# Altium PCB AirScout_PCBV1.2.PcbDoc (part 1 of 2)
Units mil, origin at the board's own origin, x right, y up, seen from the top; angles counter-clockwise.
Board outline 3592.52 x 5944.88 mil, 4 copper layers (Top Layer, Signal Layer 1, Signal Layer 2, Bottom Layer), stack 23.756 mil thick; 56 components, 39 nets, 237 pads, 309 vias.
Unrouted connection lines stored in the file: 26.
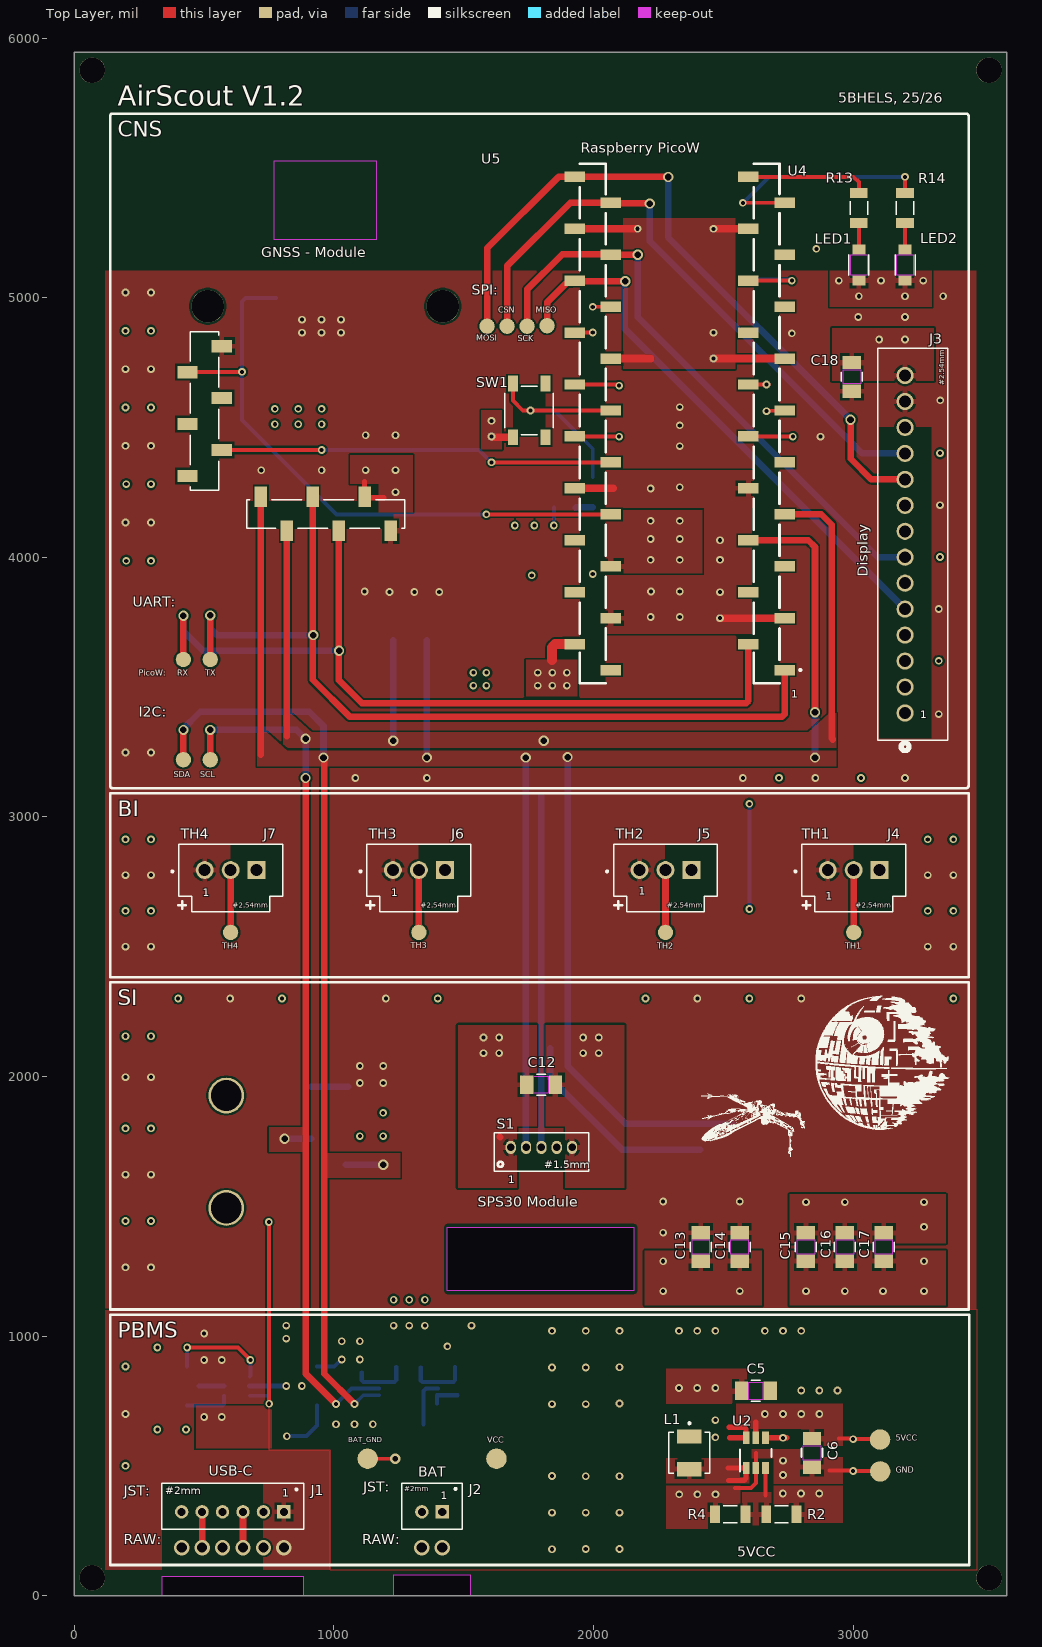
[diagram p0: Top Layer view]
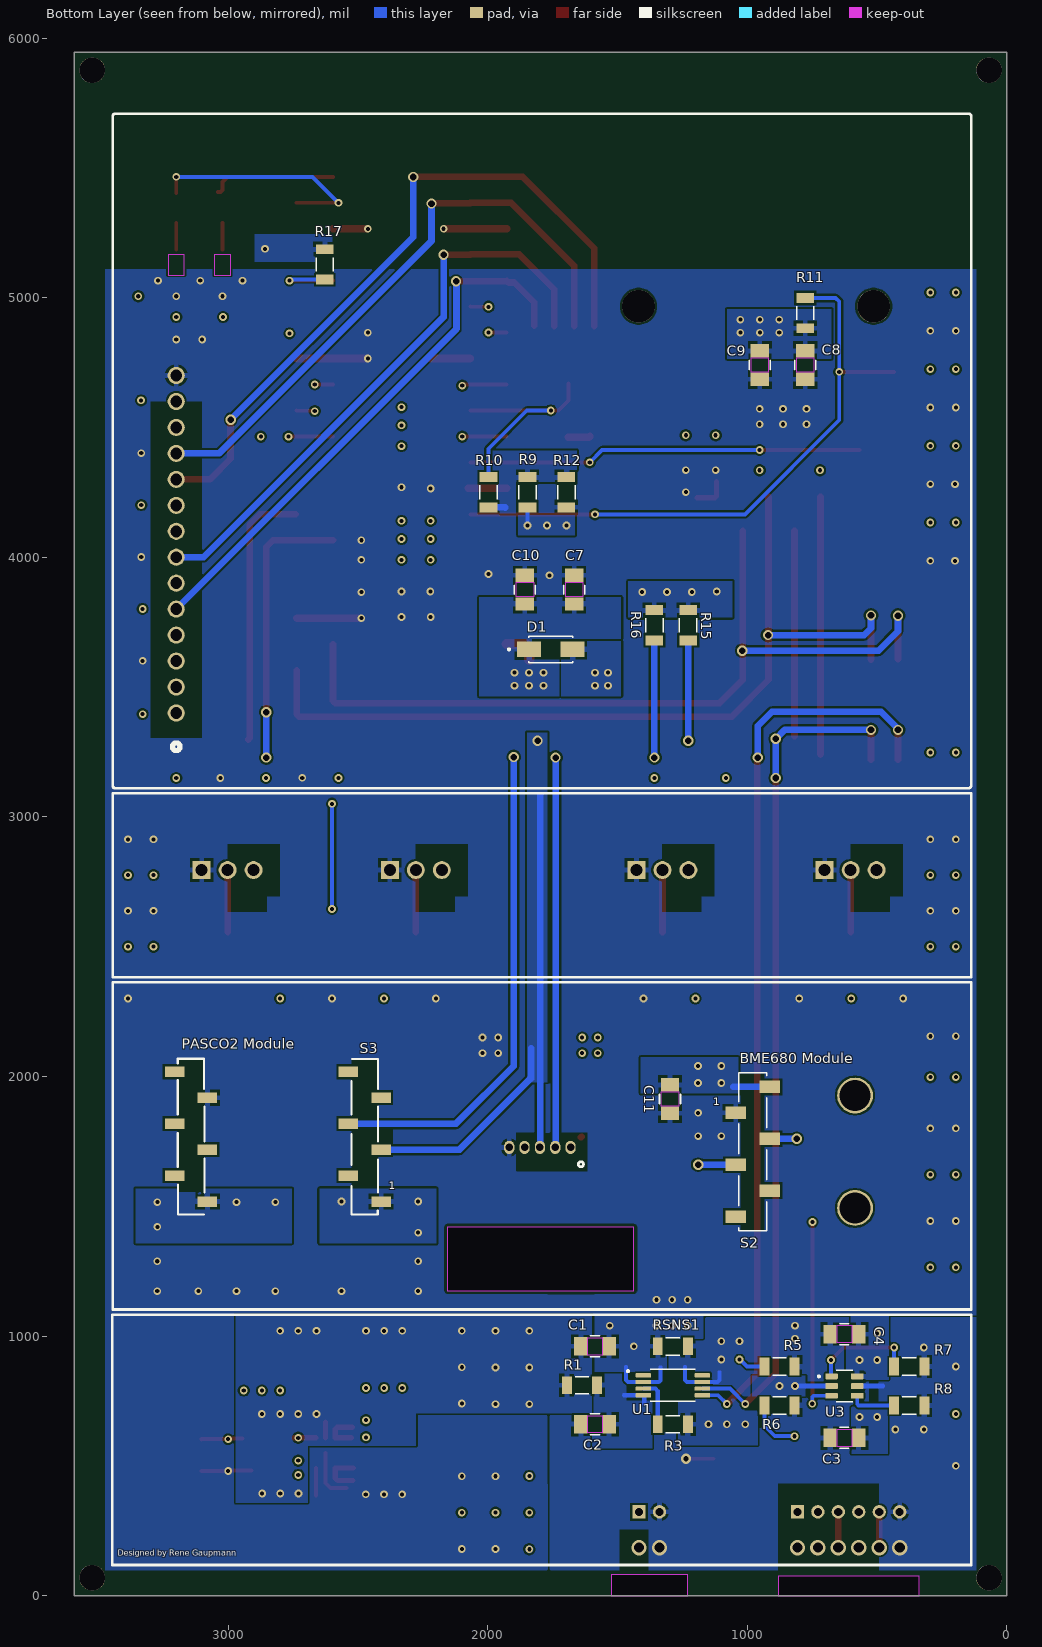
[diagram p1: Bottom Layer view, seen from below]
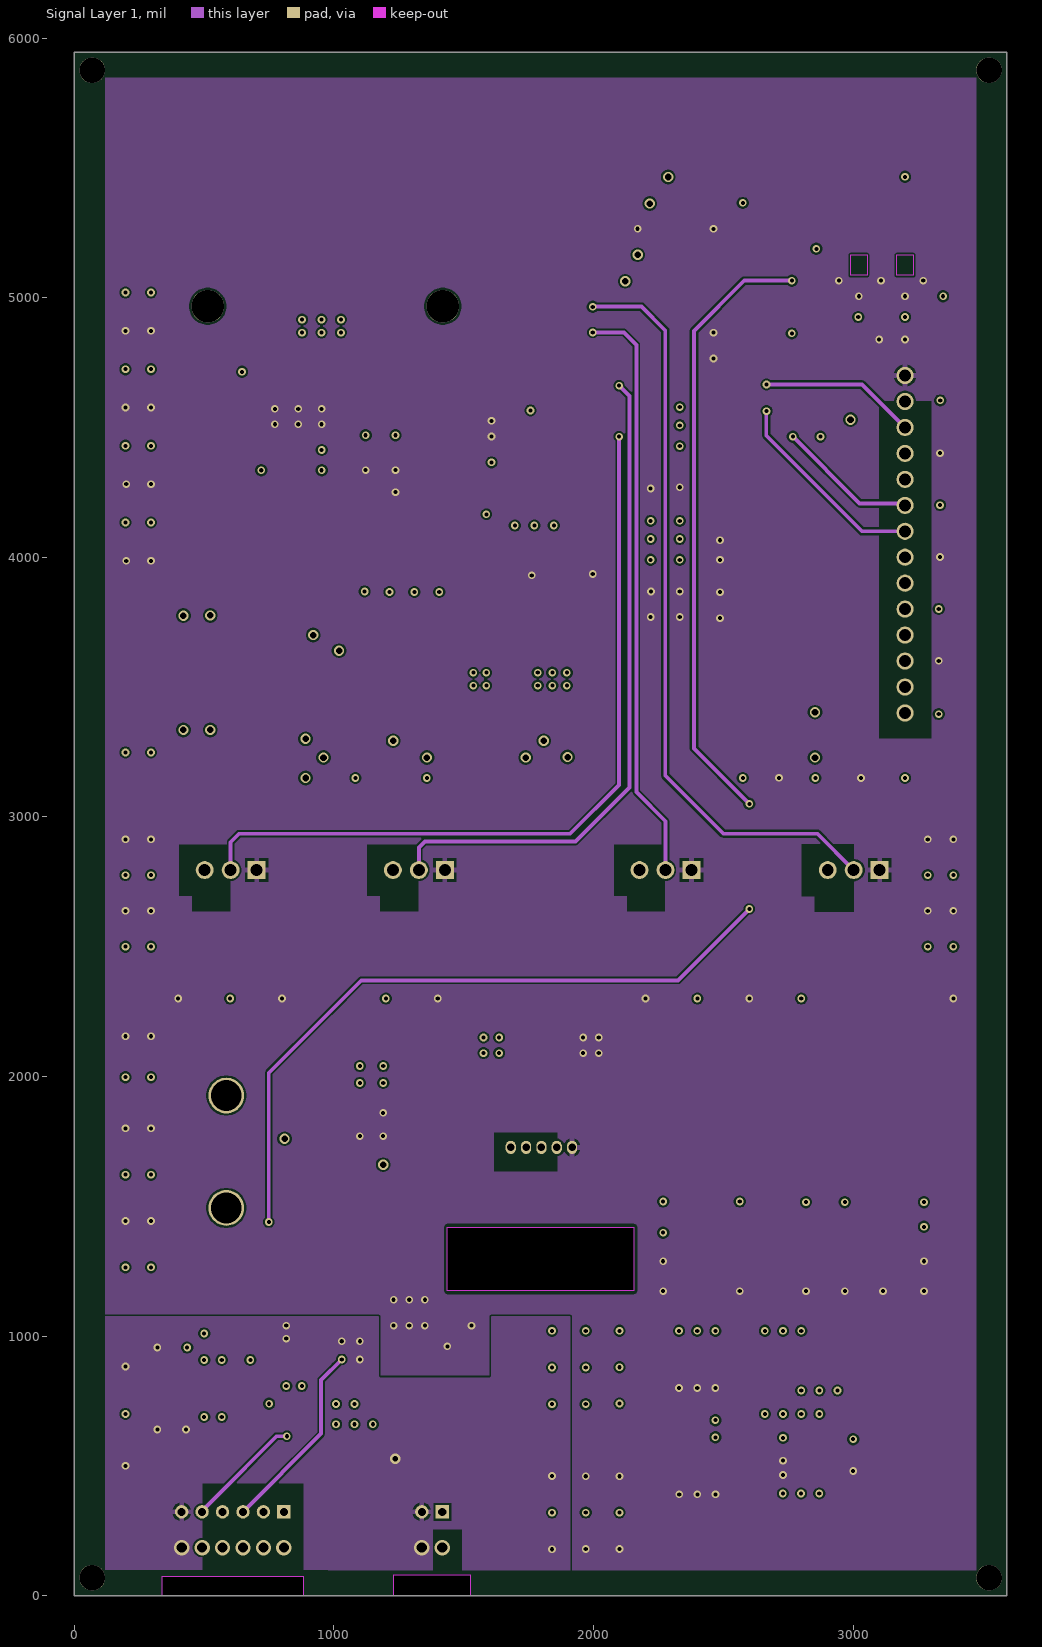
[diagram p2: Signal Layer 1]
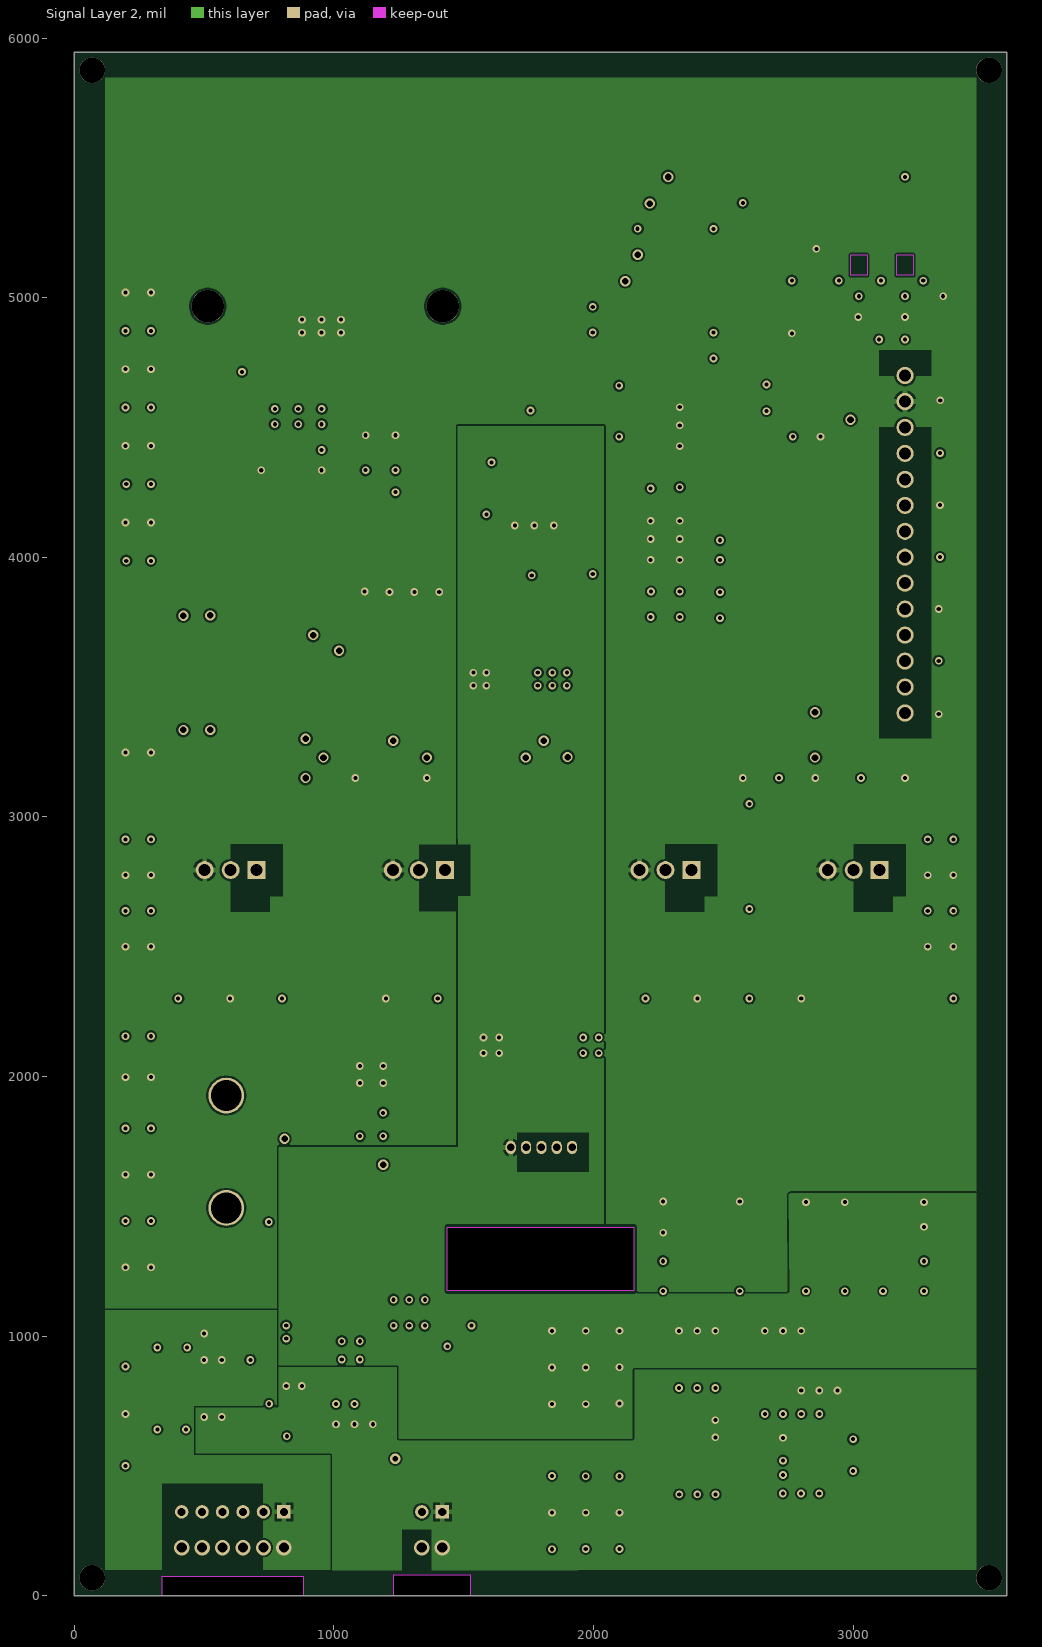
[diagram p3: Signal Layer 2]

## Layer stack, top to bottom
Top Solder: solder mask 0.4, Solder Resist, Dk 3.5
Top Layer: signal copper 1.4
Dielectric 2: prepreg 2.8, PP-006, Dk 4.1
Signal Layer 1: signal copper 1.378
Dielectric 1: dielectric 12.6, FR-4, Dk 4.8
Signal Layer 2: signal copper 1.378
Dielectric 3: prepreg 2.8, PP-006, Dk 4.1
Bottom Layer: signal copper 1.4
Bottom Solder: solder mask 0.4, Solder Resist, Dk 3.5

## Board outline
0,0 0,5708.66 0,5944.88 3592.52,5944.88 3592.52,5944.4 3592.52,0
cut-out: 338.58,0 338.58,74.8 881.89,74.8 881.89,0
cut-out: 1230,0 1230,80 1524.17,80 1524.17,0
cut-out: 1437.01,1419.78 2155.51,1419.78 2155.51,1173.72 1437.01,1173.72

## Design rules (kind name [scope] priority, off if disabled: settings)
BoardOutlineClearance [All] p1: gap=11.81 ignorepadtopadclearanceinfootprint=FALSE except(15.75: Arc-SplitBarrior Arc-SplitContinuation Track-SplitBarrior Track-SplitContinuation SMDPad-SplitBarrior SMDPad-SplitContinuation THPad-SplitBarrior THPad-SplitContinuation Via-SplitBarrior Via-SplitContinuation Fill-SplitBarrior Fill-SplitContinuation Poly-SplitBarrior Poly-SplitContinuation Region-SplitBarrior Region-SplitContinuation Text-SplitBarrior Text-SplitContinuation)
Clearance "Clearance Different Nets" [All] p1: gap=7.87 ignorepadtopadclearanceinfootprint=FALSE except(3.5: Arc-Arc Arc-Track Arc-SMDPad Track-Track Track-SMDPad; 5: SMDPad-SMDPad SMDPad-Via THPad-Via Via-Via; 10: Arc-Via Arc-Text Track-Via Track-Text SMDPad-Text THPad-Text Via-Text Fill-Text Poly-Text Region-Text Text-Text; 19.68: THPad-THPad Via-Hole)
Clearance "Clearance Same Nets" [All] p2: gap=7.87 ignorepadtopadclearanceinfootprint=FALSE except(3.5: Arc-Arc Arc-Track Arc-SMDPad Track-Track Track-SMDPad SMDPad-SMDPad; 5: SMDPad-Via THPad-Via; 10: Arc-Via Arc-Text Track-Via Track-Text SMDPad-Text THPad-Text Via-Via Via-Text Fill-Text Poly-Text Region-Text Text-Text)
Clearance "Clearance Bottom Layer" [OnLayer('Bottom Layer')] p3: gap=8 ignorepadtopadclearanceinfootprint=TRUE except(10: Arc-Text Track-Text SMDPad-Text THPad-Text Via-Text Fill-Text Poly-Text Region-Text Text-Text)
Clearance "Clearance Top Layer" [OnLayer('Top Layer')] p4: gap=8 ignorepadtopadclearanceinfootprint=TRUE except(10: Arc-Text Track-Text SMDPad-Text THPad-Text Via-Text Fill-Text Poly-Text Region-Text Text-Text)
HoleSize [All] p1: absolutevalues=TRUE maxlimit=248.03 minlimit=7.87 maxpercent=80.000 minpercent=20.000
MinimumAnnularRing [All] p1: minimumring=5.12
MinimumSolderMaskSliver [All] p1: minsoldermaskwidth=3.94
PolygonConnect PolygonConnect_1 [All] p1: thpad.connectstyle=Relief thpad.reliefconductorwidth=20 thpad.reliefentries=4 thpad.polygonreliefangle="90 Angle" thpad.airgapwidth=10 smdpad.connectstyle=Relief smdpad.reliefconductorwidth=20 smdpad.reliefentries=4 smdpad.polygonreliefangle="90 Angle" smdpad.airgapwidth=10 via.connectstyle=Direct via.reliefconductorwidth=20 via.reliefentries=4 via.polygonreliefangle="90 Angle" via.airgapwidth=10
RoutingCorners [All] p1: cornerstyle=Round minsetback=100 maxsetback=100
RoutingVias [All] p1: holewidth=19.68 width=39.37 viastyle="Through Hole" minholewidth=7.87 minwidth=13.78 maxholewidth=39.37 maxwidth=78.74
SilkToSilkClearance [All] p1: silktosilkclearance=3.94
SilkToSolderMaskClearance [IsPad] p1: minsilkscreentomaskgap=3.94 clearancetoexposedcopper=TRUE
SolderMaskExpansion [All] p1: expansion=4 istentingtop=FALSE
SupplyNets "Schematic Supply Nets_31" [InNet('FB')] p1: voltage=0.000
SupplyNets "Schematic Supply Nets_30" [InNet('CC1')] p2: voltage=0.000
SupplyNets "Schematic Supply Nets_29" [InNet('TCH2')] p3: voltage=0.000
SupplyNets "Schematic Supply Nets_28" [InNet('CHG')] p4: voltage=0.000
SupplyNets "Schematic Supply Nets_27" [InNet('3V3')] p5: voltage=0.000
SupplyNets "Schematic Supply Nets_26" [InNet('LED')] p6: voltage=0.000
SupplyNets "Schematic Supply Nets_25" [InNet('EXTIN')] p7: voltage=0.000
SupplyNets "Schematic Supply Nets_24" [InNet('5VCC_FUEL G.')] p8: voltage=0.000
SupplyNets "Schematic Supply Nets_23" [InNet('SPI/MOSI')] p9: voltage=0.000
SupplyNets "Schematic Supply Nets_22" [InNet('UART/TX')] p10: voltage=0.000
SupplyNets "Schematic Supply Nets_21" [InNet('BAT_GND')] p11: voltage=0.000
SupplyNets "Schematic Supply Nets_20" [InNet('RESET')] p12: voltage=0.000
SupplyNets "Schematic Supply Nets_19" [InNet('TCH3')] p13: voltage=0.000
SupplyNets "Schematic Supply Nets_18" [InNet('3V3EN')] p14: voltage=0.000
SupplyNets "Schematic Supply Nets_17" [InNet('TCH4')] p15: voltage=0.000
SupplyNets "Schematic Supply Nets_16" [InNet('VIN')] p16: voltage=0.000
SupplyNets "Schematic Supply Nets_15" [InNet('RST')] p17: voltage=0.000
SupplyNets "Schematic Supply Nets_14" [InNet('I2C/SCL')] p18: voltage=0.000
SupplyNets "Schematic Supply Nets_13" [InNet('SPI/MISO')] p19: voltage=0.000
SupplyNets "Schematic Supply Nets_12" [InNet('SPI/CSn')] p20: voltage=0.000
SupplyNets "Schematic Supply Nets_11" [InNet('DC')] p21: voltage=0.000
SupplyNets "Schematic Supply Nets_9" [InNet('SPI/SCK')] p22: voltage=0.000
SupplyNets "Schematic Supply Nets_8" [InNet('VCC')] p23: voltage=0.000
SupplyNets "Schematic Supply Nets_7" [InNet('UART/RX')] p24: voltage=0.000
SupplyNets "Schematic Supply Nets_6" [InNet('TCH1')] p25: voltage=0.000
SupplyNets "Schematic Supply Nets_5" [InNet('5VCC')] p26: voltage=0.000
SupplyNets "Schematic Supply Nets_4" [InNet('GND')] p27: voltage=0.000
SupplyNets "Schematic Supply Nets_3" [InNet('VSYS')] p28: voltage=0.000
SupplyNets "Schematic Supply Nets_2" [InNet('VBUS')] p29: voltage=0.000
SupplyNets "Schematic Supply Nets_1" [InNet('I2C/SDA')] p30: voltage=0.000
SupplyNets "Schematic Supply Nets" [InNet('CC2')] p31: voltage=0.000
Width [All] p1: maxlimit=100 minlimit=3.5 preferedwidth=15
25 further rules are at their usual default settings.

## Components (designator, comment, footprint, x,y, rotation, side; value= is the part's Value field where it differs from the comment)
C1 "CL31B475KBHNFNE" CAPC340180_140N_KEM 1587.09,960.33 r180 bottom value=4.7uF
C2 "C1206C104K5RACTU" CAPC340180_140N_KEM 1587.09,660.33 r0 bottom value=0.1uF
C3 "C1206C105K3RACTU" CAPC340180_140N_KEM 626.26,607.54 r0 bottom value=1uF
C4 "C1206C105K3RACTU" CAPC340180_140N_KEM 626.26,1007.54 r0 bottom value=1uF
C5 "CL31B225KBHNNNE" CAPC340180_140N_KEM 2625,788.58 r0 top value=2.2uF
C6 "CL31B475KBHNFNE" CAPC340180_140N_KEM 2841.54,550 r90 top value=4.7uF
C7 "CL31B106KAHNNNE" CAPC340180_140N_KEM 1667.09,3875.33 r90 bottom value=10uF
C8 "CL31B106KAHNNNE" CAPC340180_140N_KEM 777.09,4740.33 r270 bottom value=10uF
C9 "CL31B106KAHNNNE" CAPC340180_140N_KEM 952.09,4740.33 r270 bottom value=10uF
C10 "C1206C104K5RACTU" CAPC340180_140N_KEM 1857.09,3875.33 r90 bottom value=0.1uF
C11 "CL31B106KAHNNNE" CAPC340180_140N_KEM 1298.11,1913.11 r270 bottom value=10uF
C12 "CL31B106KAHNNNE" CAPC340180_140N_KEM 1798.11,1968.11 r0 top value=10uF
C13 "CL31B106KAHNNNE" CAPC340180_140N_KEM 2412.8,1343.11 r270 top value=10uF
C14 "C1206C104K5RACTU" CAPC340180_140N_KEM 2562.8,1343.11 r270 top value=0.1uF
C15 "CL31B106KAHNNNE" CAPC340180_140N_KEM 2818.11,1343.11 r270 top value=47uF
C16 "CL31B106KAHNNNE" CAPC340180_140N_KEM 2968.11,1343.11 r270 top value=10uF
C17 "C1206C104K5RACTU" CAPC340180_140N_KEM 3118.11,1343.11 r270 top value=0.1uF
C18 "CL31B475KBHNFNE" CAPC340180_140N_KEM 2995,4695 r90 top value=4.7uF
D1 "B240A-13-F" DIOM5226X230N 1757.09,3645.33 r180 bottom
J1 "B6B-PH-K-S" JST_B6B-PH-K-S 610.24,344.49 r0 top
J2 "B02B-PASK-1" JST_B2B-PH-K-S 1377.95,344.49 r0 top
J3 "0705430013" CONN_SDA-70543-XXXX_14_MOL 3200,3400 r270 top
J4 "0705430002" MOLEX_70543-0037 3002.09,2795 r180 top locked
J5 "0705430002" MOLEX_70543-0037 2277.09,2795 r180 top
J6 "0705430002" MOLEX_70543-0037 1327.09,2795 r180 top
J7 "0705430002" MOLEX_70543-0037 602.09,2795 r180 top
L1 "FDSD0420-H-100M=P3" IND_FDSD0420-H-100M=P3 2369.09,550 r270 top value=10uH
LED1 "LTST-C150GKT" LED_LTST-C150GKT_LTO 3022.09,5125.33 r270 top
LED2 "LTST-C150KRKT" LED_LTST-C150GKT_LTO 3200,5125.33 r270 top
R1 "CRGCQ1206F470R" RESC3116X65N 1637.09,810.33 r180 bottom value=470
R2 "RC1206FR-0710KL" RESC3116X65N 2723.43,313.78 r0 top value=10k
R3 "RNCP1206FTD1K00" RESC3116X65N 1287.09,660.33 r180 bottom value=1k
R4 "RMCF1206JT56K0" RESC3116X65N 2526.57,313.78 r0 top value=56k
R5 "RMCF1206JT5K10" RESC3116X65N 876.26,882.54 r0 bottom value=5k1
R6 "RMCF1206JT5K10" RESC3116X65N 876.26,732.54 r0 bottom value=5k1
R7 "RC1206FR-0710KL" RESC3116X65N 376.26,882.54 r0 bottom value=10k
R8 "RC1206FR-0710KL" RESC3116X65N 376.26,732.54 r0 bottom value=1k
R9 "RC1206JR-075K6L" RESC3116X65N 1847.09,4250.33 r270 bottom value=5k6
R10 "RC1206FR-0710KL" RESC3116X65N 1997.09,4250.33 r270 bottom value=10k
R11 "RC1206FR-0710KL" RESC3116X65N 777.09,4940.33 r270 bottom value=10k
R12 "RC1206FR-0710KL" RESC3116X65N 1697.09,4250.33 r90 bottom value=10k
R13 "RMCF1206JT330R" RESC3116X65N 3022.09,5345.33 r90 top value=330
R14 "RMCF1206JT330R" RESC3116X65N 3200,5345.33 r90 top value=330
R15 "RC1206FR-0710KL" RESC3116X65N 1228.11,3738.11 r90 bottom value=10k
R16 "RC1206FR-0710KL" RESC3116X65N 1358.11,3738.11 r270 bottom value=10k
R17 "RC1206FR-0710KL" RESC3116X65N 2628.11,5128.11 r270 bottom value=10k
RSNS1 "WSL1206R0150FEA" RESC3116X65N 1287.09,960.33 r180 bottom value=0R015
S1 "B5B-ZR" CONN5_B5B-ZR_JST 1681.1,1726.62 r180 top
S2 "EVAL BOARD BME680 SENSOR" PIM357 1038.06,2024.96 r270 bottom
S3 "SSM-106-F-SV" IFX-SMD-LG-MLGA-14-1-V_MODUL 2335.93,2128.35 r0 bottom
SW1 "Y97KT23B2NAFP" SW_PTS647SM38SMTR2LFS_CNK 1752.09,4565.33 r90 top
U1 "DS2782E+" SOP65P640X110-8N 1287.09,810.33 r180 bottom
U2 "TLV61046ADBVR" DBV0006A_M 2625,550 r90 top
U3 "BQ21040DBVR" SOT95P280X145-6N 626.26,807.54 r180 bottom
U4 "SSM-120-L-SV-BE-K-TR" "PicoW SC019" 2331.73,4520.45 r180 top
U5 "SSM-106-F-SV" CAM8MQ-Mod 415.28,5537.5 r270 top

## Footprints (in the part's own frame and the unit in brackets; to place one, negate y for a bottom-side part, rotate by r counter-clockwise, add the part's x,y. Pads: shape width x height; smd on the part's side, far side on the other; paste and mask are expansions set on the pad)
CAM8MQ-Mod [mm] "For SMD Soldering"
  rect 1.2x2 smd paste+0 mask+0.025: 1(18.4,3.876) 2(20.94,0.524) 3(23.48,3.876) 4(26.02,0.524) 5(28.56,3.876) 6(31.1,0.524)
  rect 2x1.2 smd paste+0 mask+0.025: 7(36.476,20.4) 8(33.124,17.86) 9(36.476,15.32) 10(33.124,12.78) 11(36.476,10.24) 12(33.124,7.7)
  round 3.2 hole 3.2 unplated: MH1(14.5,25.5) MH3(14.5,2.5)
  Top Layer keep-out region: 0.25,19 8,19 8,9 0.25,9
  silkscreen extent 17,0.8 36.2,21.8, body extent 17.13,-0.09 37.09,21.67, height 7.49
CAPC340180_140N_KEM [mm] "Caseform: 1206 Imperial; for Caps"
  rect 1.306x1.8 smd paste+0 mask+0: 1(-1.403,0) 2(1.403,0)
  Top Layer keep-out region: -0.699,-0.849 -0.699,0.849 0.699,0.849 0.699,-0.849
  silkscreen extent -0.44,-1.03 0.44,1.03, body extent -1.7,-0.9 1.7,0.9, height 1.4
CONN5_B5B-ZR_JST [mm]
  oval 1x1.3 hole 0.737 paste-2539.97: 1(0,0) 2(-1.5,0) 3(-3,0) 4(-4.5,0) 5(-6,0)
  silkscreen extent -7.62,-1.43 1.62,2.33, body extent -7.5,-1.24 1.5,2.26, height 4.5
CONN_SDA-70543-XXXX_14_MOL [mil]
  round 66 hole 46: 1(0,0) 2(-100,0) 3(-200,0) 4(-300,0) 5(-400,0) 6(-500,0) 7(-600,0) 8(-700,0) 9(-800,0) 10(-900,0) 11(-1000,0) 12(-1100,0) 13(-1200,0) 14(-1300,0)
  silkscreen extent -1405,-105 145,165, body extent -1400,-100 100,160, height 450
DBV0006A_M [mm]
  rect 1.2x0.65 smd paste+0 mask+0.051: 1(-1.475,0.95) 2(-1.475,0) 3(-1.475,-0.95) 4(1.475,-0.95) 5(1.475,0) 6(1.475,0.95)
  silkscreen extent -1.83,-1.55 0.38,1.55, body extent -1.4,-1.45 1.4,1.45, height 1.2
DIOM5226X230N [mm]
  rect 2.33x1.55 smd: A(2.135,0) K(-2.135,0)
  silkscreen extent -4.2,-1.3 2.15,1.3, body extent -2.6,-1.3 2.6,1.3, height 2.4
IFX-SMD-LG-MLGA-14-1-V_MODUL [mm] "Module, 2.54 mm Pitch, 14 Pin, 14.00 mm W X 13.80 mm L X 7.68 mm H Body"
  rect 1.905x1.02 smd: 1(1.898,15.5) 2(5.103,12.96) 3(1.898,10.42) 4(5.103,7.88) 5(1.898,5.34) 6(18.897,5.34) 7(22.102,7.88) 8(18.897,10.42) 9(22.102,12.96) 10(18.897,15.5) 11(5.103,2.8) 12(22.102,2.8)
  silkscreen extent 2.2,1.53 21.8,16.77, body extent 1.28,1.53 22.85,16.77, height 15.3
IND_FDSD0420-H-100M=P3 [mm]
  rect 1.4x2.4 smd: 1(-1.6,0) 2(1.6,0)
  silkscreen extent -3,-2 2,2, body extent -2,-2 2,2, height 2
JST_B2B-PH-K-S [mm]
  rect 1.308x1.308 hole 0.8: 1(1,-0.55)
  round 1.308 hole 0.8: 2(-1,-0.55)
  silkscreen extent -2.95,-2.25 2.95,2.25, body extent -2.95,-2.25 2.95,2.25, height 6
JST_B6B-PH-K-S [mm]
  rect 1.308x1.308 hole 0.8: 1(5,-0.55)
  round 1.308 hole 0.8: 2(3,-0.55) 3(1,-0.55) 4(-1,-0.55) 5(-3,-0.55) 6(-5,-0.55)
  silkscreen extent -6.95,-2.25 6.95,2.25, body extent -6.95,-2.25 6.95,2.25, height 6
LED_LTST-C150GKT_LTO [mil]
  rect 38x51 smd paste+0 mask+0: 1(-60,0) 2(60,0)
  Top Layer keep-out region: -39,-31.5 -39,31.5 39,31.5 39,-31.5
  Keep-Out Layer region: -39,-31.5 -39,31.5 39,31.5 39,-31.5
  silkscreen extent -39,-39 39,39, body extent -65,-34 65,34, height 47
MOLEX_70543-0037 [mm]
  round 1.755 hole 1.17: 1(2.54,0) 2(0,0)
  rect 1.755x1.755 hole 1.17: 3(-2.54,0)
  silkscreen extent -5.09,-2.54 5.81,4.06, body extent -5.08,-2.54 5.08,4.06, height 11.81
"PicoW SC019" [mm] "For Description look into Schematics"
  rect 2x1.02 smd: 1(-10.278,24.26) 2(-6.722,21.72) 3(-10.278,19.18) 4(-6.722,16.64) 5(-10.278,14.1) 6(-6.722,11.56) 7(-10.278,9.02) 8(-6.722,6.48) 9(-10.278,3.94) 10(-6.722,1.4) 11(-10.278,-1.14) 12(-6.722,-3.68) 13(-10.278,-6.22) 14(-6.722,-8.76) 15(-10.278,-11.3) 16(-6.722,-13.84) 17(-10.278,-16.38) 18(-6.722,-18.92) 19(-10.278,-21.46) 20(-6.722,-24) 21(10.278,-24) 22(6.722,-21.46) 23(10.278,-18.92) 24(6.722,-16.38) 25(10.278,-13.84) 26(6.722,-11.3) 27(10.278,-8.76) 28(6.722,-6.22) 29(10.278,-3.68) 30(6.722,-1.14) 31(10.278,1.4) 32(6.722,3.94) 33(10.278,6.48) 34(6.722,9.02) 35(10.278,11.56) 36(6.722,14.1) 37(10.278,16.64) 38(6.722,19.18) 39(10.278,21.72) 40(6.722,24.26)
  silkscreen extent -11.9,-25.27 9.77,25.53, body extent -10.91,-25.5 10.66,26.8, height 11.23
PIM357 [mm] "With BME680 Sensor"
  rect 1.2x2 smd paste+0 mask+0.025: 1(1.65,3.176) 2(4.19,-0.176) 3(6.73,3.176) 4(9.27,-0.176) 5(11.81,3.176) 6(14.35,-0.176)
  round 3.5 hole 3 unplated: MH1(2.5,11.5) MH2(13.5,11.5)
  silkscreen extent 0.25,0.1 15.75,2.87, body extent 0.38,-0.79 15.62,3.51, height 7.49
RESC3116X65N [mm] "Caseform: 1206 Imperial"
  rect 0.97x1.73 smd: 1(-1.48,0) 2(1.48,0)
  silkscreen extent -0.67,-0.85 0.67,0.85, body extent -1.55,-0.8 1.55,0.8, height 0.65
SOP65P640X110-8N [mm]
  rrect25% 1.5x0.41 smd mask+0.065: 1(-2.885,0.975) 2(-2.885,0.325) 3(-2.885,-0.325) 4(-2.885,-0.975) 5(2.885,-0.975) 6(2.885,-0.325) 7(2.885,0.325) 8(2.885,0.975)
  silkscreen extent -4.48,-1.55 2.2,1.55, body extent -3.2,-1.5 3.2,1.5, height 1
SOT95P280X145-6N [mm]
  rrect25% 1.21x0.58 smd: 1(-1.255,0.95) 2(-1.255,0) 3(-1.255,-0.95) 4(1.255,-0.95) 5(1.255,0) 6(1.255,0.95)
  silkscreen extent -2.6,-1.56 0.8,1.56, body extent -1.4,-1.45 1.4,1.45, height 1.45
SW_PTS647SM38SMTR2LFS_CNK [mil]
  rect 61x39 smd paste+0 mask+0: 1(-103.35,62.99) 2(103.35,62.99) 3(-103.35,-62.99) 4(103.35,-62.99)
  silkscreen extent -94,-94 94,94, body extent -120,-89 120,89, height 150

## Part data
C1 C6 C18: library part CAP, "CAP CER 4.7UF 50V X7R 1206"
C2 C10 C14 C17: library part CAP, "CAP CER 0.1UF 50V X7R 1206"
C3 C4: library part CAP, "CAP CER 1UF 25V X7R 1206"
C5: library part CAP, "CAP CER 2.2UF 50V X7R 1206"
C7 C8 C9 C11 C12 C13 C15 C16: library part CAP, "CAP CER 10UF 25V X7R 1206"
D1: library part Diode-Schottky, "DIODE SCHOTTKY 40V 2A SMA"
J1: library part CON6x1, "CONN HEADER VERT 6POS 2MM"
J2: library part CON2x1_vertical, "CONN HEADER VERT 2POS 2MM"
J3: library part CON7x2, "CONN HEADER VERT 14POS 2.54MM"
J4 J5 J6 J7: library part "CON 3x1", "CONN HEADER VERT 3POS 2.54MM"
L1: library part Inductor, "FIXED IND 10UH 1.7A 200 MOHM SMD"
LED1: library part LED, "LED GREEN CLEAR 1206 SMD"
LED2: library part LED, "LED RED CLEAR 1206 SMD"
R1: library part RES, "RES 470 OHM 1% 1/4W 1206"
R2 R7 R8 R10 R11 R12 R15 R16 R17: library part RES, "RES 10K OHM 1% 1/4W 1206"
R3: library part RES, "RES 1K OHM 1% 1/2W 1206"
R4: library part RES, "RES 56K OHM 5% 1/4W 1206"
R5 R6: library part RES, "RES 5.1K OHM 5% 1/4W 1206"
R9: library part RES, "RES 5.6K OHM 5% 1/4W 1206"
R13 R14: library part RES, "RES 330 OHM 5% 1/4W 1206"
RSNS1: library part RES, "RES 0.015 OHM 1% 1/4W 1206"
S1: library part "SPS30 Module", "Plug: CONN HEADER VERT 5POS 1.5MM; Air Sensor Dust Sensor Box SPS30 Module: 1649-1106-ND", ComponentLink1Description=Datasheet, ComponentLink1URL=https://sensirion.com/media/documents/8600FF88/64A3B8D6/Sensirion_PM_Sensors_Datasheet_SPS30.pdf, ComponentLink2Description="EU Component", ComponentLink2URL=https://www.digikey.at/en/products/detail/sensirion-ag/SPS30/9598990?gclsrc=aw.ds&gad_source=1&gad_campaignid=9415055229&gbraid=0AAAAADrbLlghU28cdFM9RQIiS448Os4NQ&gclid=Cj0KCQjwzt_FBhCEARIsAJGFWVladtv1vxGMu0RXHFTM9ng6qsDvV838Q-BR2Fl5FYFzWahIkC0y_aYaAqE3EALw_wcB
S2: library part "BME680 Module", "BME680 - Gas, Feuchtigkeit, Druck, Temperatur Evaluierungsboards - Sensoren", ComponentLink1Description=Datasheet, ComponentLink1URL=chrome-extension://efaidnbmnnnibpcajpcglclefindmkaj/https://mm.digikey.com/Volume0/opasdata/d220001/medias/docus/854/PIM357_Web.pdf
S3: library part "PASCO2V15 Module", "(2x) CONN RCPT 6POS 0.1 GOLD SMD; Sensor: EVALCO25VMINIBOARDTOBO1; EVAL BOARD", Alternate View=No, ComponentLink1Description=Datasheet, ComponentLink1URL=chrome-extension://efaidnbmnnnibpcajpcglclefindmkaj/https://www.infineon.com/assets/row/public/documents/24/49/infineon-pasco2v01-datasheet-en.pdf?fileId=8ac78c8c80027ecd01809278f1af1ba2, Multiple Parts=No, Symbol Type="XENSIV PAS CO2 1.5"
SW1: library part Switch, "SWITCH TACTILE SPST-NO 0.05A 12V"
U1: "UVP (Undervoltageprotection), Battery Battery Monitor IC Lithium Ion/Polymer 8-TSSOP", Package=None, Availability=Unavailable, MP=DS2782E+, Price=None
U2: "28-V Output Voltage Boost Converter with Power Diode and Isolation Switch 6-SOT-23 -40 to 125", Manufacturer_Name="Texas Instruments", Copyright="Copyright (C) 2025 Ultra Librarian. All rights reserved.", Manufacturer_Part_Number=TLV61046ADBVR, RefDes=RefDes, Type=TYPE
U3: "OVP (Over-Voltage-Protection), SCP (Short-Circuit- Protection), OTP (Over - Temp. - Prot.); 1-cell, 0.8-A Li-ion and Li-polymer battery charger", Package="SOT-23-6 Texas Instruments", Check_prices=https://www.snapeda.com/parts/BQ21040DBVR/Texas+Instruments/view-part/?ref=eda, MF="Texas Instruments", MP=BQ21040DBVR, SnapEDA_Link=https://www.snapeda.com/parts/BQ21040DBVR/Texas+Instruments/view-part/?ref=snap
U4: library part "Raspberry PicoW SC019 Module", "(2x) CONN RCPT 20POS 0.1 GOLD SMD; PicoW: SC0918; RASPBERRY PI PICO W RP2040", ComponentLink1Description="EU Component", ComponentLink1URL=https://www.reichelt.at/at/de/shop/produkt/raspberry_pi_pico_rp2040_cortex-m0_microusb-295706, ComponentLink2Description=Datasheet, ComponentLink2URL=chrome-extension://efaidnbmnnnibpcajpcglclefindmkaj/https://datasheets.raspberrypi.com/picow/pico-w-datasheet.pdf
U5: library part "CAM-M8Q Module", "(2x) CONN RCPT 6POS 0.1 GOLD SMD; GPS - Module:  201880; CAM-M8Q-BREAKOUT MULTI GNSS MODU", ComponentLink1Description="Datasheet IC", ComponentLink1URL=chrome-extension://efaidnbmnnnibpcajpcglclefindmkaj/https://content.u-blox.com/sites/default/files/CAM-M8-FW3_DataSheet_%28UBX-15031574%29.pdf

## Free pads (board coordinates)
  round 98.43 hole 98.43 unplated: M1(68.9,5875.98) M2(3523.62,5875.98) M3(68.9,68.9) M4(3523.62,68.9)
  round 59.06 smd: M1(420,3220) M1(420,3606.07) M1(523.73,3220) M1(523.73,3606.07) M1(602.09,2555) M1(1327.09,2555) M1(1590,4890) M1(1667.01,4890) M1(1744.02,4890) M1(1821.02,4891.89) M1(2277.09,2555) M1(3002.09,2555)
  round 78.74 smd: M1(1129.92,527.56) M1(1625.98,527.56) M1(3103.61,601.39) M1(3104.07,478.61)

## Via types
v1: diameter 29.53, hole 15.75, Top Layer to Bottom Layer, 275 vias
v2: diameter 39.37, hole 25.59, Top Layer to Bottom Layer, 23 vias
v3: diameter 59.06, hole 39.37, Top Layer to Bottom Layer, 7 vias
v4: diameter 29.53, hole 15.75, Top Layer to Signal Layer 1, 2 vias
v5: diameter 59.06, hole 39.37, Top Layer to Bottom Layer, tented both sides, 1 vias
v6: diameter 39.37, hole 19.68, Top Layer to Bottom Layer, 1 vias

## Nets (pads, with @x,y where several pads share a name; then routed paths per layer and width w, separated by ;. In a path a pad name is that pad's centre, name@x,y a point inside that pad or via, vN(x,y) a via of type N, cw(c..) or ccw(c..) an arc to the next point about the centre after c; other vN are vias at no path point)
3V3: C8.1 C9.1 C11.1 C13.1 C14.1 C18.1 J3.13 J4.1 J5.1 J6.1 J7.1 R11.2 R15.2 R16.1 R17.1 S2.1 S3.1 U4.36 U5.1 U5.7 | length 142
  Bottom Layer w25.59: S2.1@913,1960 1055,1960
  other v1: 196.85,1264.84 295.28,1264.84 2268.11,1398.11 2268.11,1518.11 2563.11,1518.11 196.85,1621.61 295.28,1621.61 1100,1975 1190,1975 196.85,1997.2 295.28,1997.2 1100,2040 1190,2040 600,2300 1200,2300 2400,2300 2800,2300 196.85,2500 295.28,2500 3287.4,2500 3385.83,2500 196.85,2775.59 295.28,2775.59 3287.4,2775.59 3385.83,2775.59 1082.68,3149.61 1358.11,3149.61 2575,3149.61 2854.33,3149.61 3200,3149.61 196.85,3248.03 295.28,3248.03 3329.65,3395.79 3329.65,3800.79 1213.91,3866.14 1309.71,3866.14 1405.51,3866.14 1118.11,3868.11 2220,3990 2332.09,3990 2220,4070 2332.09,4070 196.85,4133.86 295.28,4133.86 2220,4140 2332.09,4140 3334.65,4200.79 720,4335 952.76,4335 2332.09,4428.11 196.85,4429.13 295.28,4429.13 2874.02,4464.57 1122.09,4470 1237.09,4470 2332.09,4508.11 2332.09,4578.11 3335.61,4604.13 196.85,4724.41 295.28,4724.41 2763.78,4862.2 877.09,4865.33 952.09,4865.33 1027.09,4865.33 877.09,4915.33 952.09,4915.33 1027.09,4915.33 3019.68,4925.2 3200,4925.2 3346.46,5005.33 196.85,5019.69 295.28,5019.69 2858.11,5188.11
3V3EN: R9.1 R10.2 R12.2 | length 65.7
  Bottom Layer w25.59: 1932.09,4190.33 1933.82,4192.06 R10.2@1997.09,4192.06
5VCC: C1.1 C6.2 C12.1 C15.1 C16.1 C17.1 D1.A pad.M1@3103.61,601.39 R1.1 R2.2 R9.2 S1.1 S3.10 U2.5 | length 295.9
  Top Layer w15: 2945,605 2997.32,605 2999.54,602.78 v1(3000,602.78) 3102.22,602.78 pad.M1@3103.61,601.39
  Top Layer w19.68: U2.5@2625,608.07 2625,668.58
  Top Layer w25.59: 1638.11,1768.11 1640.63,1765.59
  Bottom Layer w15: v1@1847.09,4120.33 R9.2@1847.09,4192.06
  other v1: 2729.29,393.58 2799.29,393.58 2869.29,393.58 2660,700 2730,700 2800,700 2870,700 1840,737.54 1970,737.54 2100,740 1840,878.77 1970,878.77 2100,880 1840,1020 1970,1020 2100,1020 2329.29,1020 2399.29,1020 2469.29,1020 2660,1020 2730,1020 2800,1020 3272.82,1420.81 2818.11,1515.81 2967.82,1515.81 3272.82,1515.81 1576.22,2090 1636.22,2090 1576.22,2150 1636.22,2150 1537.09,3505.33 1587.09,3505.33 1537.09,3555.33 1587.09,3555.33 1696.85,4122.05 1771.97,4122.05 1847.09,4122.05
"5VCC_FUEL G.": C2.1 R1.2 U1.4 | length 109.9
  Bottom Layer w15.75: 1397.09,740.33 1397.09,771.75 1397.28,771.95 U1.4@1400.67,771.95 1475.47,771.95
BAT_GND: C2.2 C3.2 C4.2 J1.6 J2.2 pad.M1@1129.92,527.56 R5.1 R6.1 R7.1 R8.1 RSNS1.2 U1.7 U3.5 | length 421.6
  Top Layer w15: pad.M1@1129.92,527.56 v6(1236.22,527.56)
  Bottom Layer w15.75: 1107.09,860 1107.09,830.33 1114.29,823.13 U1.7@1173.5,823.13 1232.72,823.13 1239.92,830.33 1239.92,880.33
  Bottom Layer w19.68: 480,807.54 U3.5@576.85,807.54
  other v1: 1840,178.77 1840,461.23 196.85,500 320,640 430,640 196.85,882.54 1100,910 320,955.8 1030,980 1100,980 816.26,990 816.26,1040
  other v3: 413.39,185.04 1338.58,185.04
CC1: J1.3 R5.2 | length 989.4
  Top Layer w25.59: v3(649.61,185.04) J1.3@649.61,322.83
  Signal Layer 1 w15: J1.3@649.61,322.83 950.67,623.9 950.67,830.67 v1(1030,910)
  Bottom Layer w15: R5.2@934.53,882.54 1001.03,882.54 1028.49,910 v1(1030,910)
CC2: J1.5 R6.2 | length 797.6
  Top Layer w25.59: v5(492.13,185.04) J1.5@492.13,322.83
  Signal Layer 1 w15: J1.5@492.13,322.83 492.13,326.77 539.37,374.02 779.42,614.06 v1(818.66,614.06)
  Bottom Layer w15: v1(818.66,614.06) 819.6,615 894.53,615 934.53,655 R6.2@934.53,732.54
CHG: R17.2 U3.3 U4.16 | length 6571.1
  Top Layer w15: v1(749.07,1439.07) 749.64,1438.49 749.64,739.84 v1(750.22,739.26) ; U4.16@2596.38,5065.33 2762.18,5065.33 v1@2763.78,5066.93
  Signal Layer 1 w15: v1(749.07,1439.07) 749.07,2014.07 1105,2370 2325,2370 v1(2600,2645) v1@2602.6,2647.6 ; v1(2600,3050) 2387.09,3262.91 2387.09,4872.09 2580.33,5065.33 2762.18,5065.33 v1@2763.78,5066.93
  Bottom Layer w15: U3.3@675.67,770.13 744.8,770.13 750.22,764.72 v1(750.22,739.26) ; v1(2600,2645) v1(2600,3050) ; R17.2@2628.11,5069.84 2756.93,5069.84 2759.85,5066.93 v1@2763.78,5066.93
  other v1: 2763.78,5065.33
DC: J3.9 U4.10 | length 713.5
  Top Layer w15: U4.10@2596.38,4465.33 2766.95,4465.33 v1(2767.72,4464.57)
  Signal Layer 1 w15: v1(2767.72,4464.57) 3025.06,4207.22 3192.78,4207.22 J3.9@3200,4200
EXTIN: U4.32 U5.5 | length 1519
  Top Layer w15: U5.5@567.89,4413.09 v1(952.76,4413.11) ; v1(1607.09,4365.33) U4.32@2067.09,4365.33
  Bottom Layer w15: v1(952.76,4413.11) 1559.31,4413.11 v1(1607.09,4365.33)
FB: R2.1 R4.2 U2.3 | length 105.2
  Top Layer w15.75: 2662.4,386.69 U2.3@2662.4,491.93
GND: C1.2 C5.1 C6.1 C7.2 C8.2 C9.2 C10.2 C11.2 C12.2 C13.2 C14.2 C15.2 C16.2 C17.2 C18.2 J3.14 J4.3 J5.3 J6.3 J7.3 LED1.2 LED2.2 pad.M1@3104.07,478.61 R4.1 R12.1 RSNS1.1 S1.5 S2.2 S3.6 SW1.1 U1.2 U2.2 U4.3 U4.8 U4.13 U4.18 U4.23 U4.28 U4.33 U4.38 U5.8 | length 2047.4
  Top Layer w15: 2909.29,482.22 2997.78,482.22 v1(3000,480) pad.M1@3102.68,480
  Top Layer w15.75: 2544.29,415.46 2606.17,415.46 2625,434.29 U2.2@2625,491.93 2625,549.57
  Top Layer w19.68: U5.8@1118.43,4233.42 1118.43,4292.18 ; U5.8@1124.33,4229.09 1193.33,4229.09
  Top Layer w29.53: v4(1607.09,4465.33) 1610.43,4461.98 SW1.1@1689.09,4461.98 ; U4.33@1927.09,4265.33 2075,4265.33 ; U4.23@1927.09,5265.33 v1@2167.44,5265.33 ; U4.28@2067.09,4765.33 2219.67,4765.33 2220,4765 ; v1(2462.09,4765.33) U4.13@2736.38,4765.33 ; v1(2462.09,5265) 2462.42,5265.33 U4.18@2596.38,5265.33 ; v1(2487.09,3765.33) U4.3@2736.38,3765.33
  Bottom Layer w15.75: 1334.27,879.54 1334.27,829.54 1341.48,822.33 U1.2@1400.69,822.33 ; U1.2@1400.67,823.13 1459.88,823.13 1467.09,830.33 1467.09,880.33
  other v1: 1970,180 2100,180 2330,390 2400,390 2470,390 1970,460 2100,460 2730,465 2730,520 2329.29,800 2399.29,800 2469.29,800 1437.09,960.33 1230,1040 1290,1040 1350,1040 1530,1040 1230,1140 1290,1140 1350,1140 2268.11,1173.11 2563.11,1173.11 2818.11,1173.11 2968.11,1173.11 3114.71,1173.11 3273.11,1173.11 2268.11,1288.11 3273.11,1288.11 196.85,1443.23 295.28,1443.23 1100,1770 1189.56,1770 196.85,1800 295.28,1800 1189.56,1860 1960,2090 2020,2090 1960,2150 2020,2150 196.85,2154.72 295.28,2154.72 400,2300 800,2300 1400,2300 2200,2300 2600,2300 3385.83,2300 196.85,2637.8 295.28,2637.8 3287.4,2637.8 3385.83,2637.8 196.85,2913.39 295.28,2913.39 3287.4,2913.39 3385.83,2913.39 2714.67,3150 3030,3149.61 3329.65,3600.79 2220,3770 2332.09,3770 2487.09,3865.33 2221.02,3867.78 2332.09,3867.78 1762.09,3930.33 1997.09,3935.33 200,3986.22 295.28,3986.22 2487.09,3990 3334.65,4000.79 2487.09,4065.33 1237.09,4250.83 2220,4265 2332.09,4269.5 200,4281.5 295.28,4281.5 1122.09,4335.33 1237.09,4335.33 3334.65,4400.79 772.24,4512.43 862.5,4512.43 952.76,4512.43 772.24,4571.43 862.5,4571.43 952.76,4571.43 196.85,4576.77 295.28,4576.77 3100,4839.06 3200,4839.06 2462.09,4865.33 196.85,4872.05 295.28,4872.05 3022.09,5005.33 3200,5005.33 2945,5065.33 3107.5,5065.33 3270,5065.33 2170,5265.33
  other v4: 1607.09,4525.33
I2C/SCL: pad.M1@523.73,3220 R15.1 S1.3 S2.3 S3.3 U1.6 U4.7 U5.11 | length 7746.3
  Top Layer w25.59: pad.M1@523.73,3220 v2(523.73,3335) ; 818.43,3310.77 U5.11@818.43,4101.42 ; v2(890.95,3149.61) 890.95,855.27 v1(1008.11,738.11) ; U4.7@2740,4165.33 2877.09,4165.33 2917.52,4124.9 2917.52,3302.68 2922.09,3298.11
  Bottom Layer w15: v1(1008.11,738.11) 1067.54,797.54 U1.6@1173.5,797.54
  Bottom Layer w25.59: v2(523.73,3335) 856.45,3335 v2(890.95,3300.51) v2@890.95,3158.11 ; v2(810,1760) S2.3@913,1760 ; v2@1228.11,3298.11 R15.1@1228.11,3679.84 ; S1.3@1798.11,1728.11 1798.11,3080.38 ; 1833.11,2108.96 1833.11,1994.07 2109.07,1718.11 S3.3@2410.63,1718.11
  other v2: 1228.11,3293.11 1808.11,3293.11
I2C/SDA: pad.M1@420,3220 R16.2 S1.2 S2.4 S3.4 U1.5 U4.6 U5.12 | length 9577.2
  Top Layer w25.59: pad.M1@420,3220 v2(420,3335) ; 718.43,3240.36 U5.12@718.43,4233.42 ; v2@960,3230 962.44,3227.56 962.44,854.72 v1(1079.06,738.11) ; U4.6@2596.38,4065.33 2827.09,4065.33 2853.11,4039.31 v2(2853.11,3403.11)
  Bottom Layer w15: v1(1079.06,738.11) 1112.89,771.95 U1.5@1173.5,771.95
  Bottom Layer w25.59: v2@415,3335 485,3405 905,3405 960,3350 v2(960,3228.11) ; S2.4@1045,1660 v2(1189.56,1660) ; v2(1358.11,3228.11) R16.2@1358.11,3679.84 ; v2(1738.7,3228.11) 1738.7,1728.07 S1.2@1740.16,1726.62 ; v2(1900,3230) 1900,2040 2121.89,1818.11 S3.4@2536.81,1818.11 ; v2@2853.11,3223.11 v2(2853.11,3228.11) v2(2853.11,3403.11)
LED: J3.8 U4.11 | length 853.8
  Top Layer w15: v1@2665.35,4562.99 2666.52,4564.16 2735.21,4564.16 U4.11@2736.38,4565.33
  Signal Layer 1 w15: v1@2665.35,4562.99 2665.35,4468.5 3033.86,4100 J3.8@3200,4100
  other v1: 2666.38,4562.99
NetL1_2: L1.2 U2.1 | length 181.7
  Top Layer w19.68: 2517.64,491.93 U2.1@2587.6,491.93 2587.6,451.89 2579.29,443.58 2519.29,443.58
NetLED1_1: LED1.1 R13.1 | length 101.7
  Top Layer w15: LED1.1@3022.09,5185.33 R13.1@3022.09,5287.06
NetLED2_1: LED2.1 R14.1 | length 101.7
  Top Layer w15: LED2.1@3200,5185.33 R14.1@3200,5287.06
NetR7_2: R7.2 U3.1 | length 400.2
  Top Layer w15: v1(434.53,955.8) 629.87,955.8 v1(677.83,907.83)
  Bottom Layer w15: R7.2@434.53,882.54 v1(434.53,955.8) ; U3.1@675.67,844.94 677.83,847.1 v1(677.83,907.83)
NetR8_2: R8.2 U3.4 | length 176.6
  Bottom Layer w15: R8.2@434.53,732.54 571.26,732.54 576.85,738.13 U3.4@576.85,770.13
NetR10_1: R10.1 SW1.2 U4.30 | length 869.5
  Top Layer w15: SW1.2@1689.09,4668.68 1689.09,4603.32 1727.09,4565.33 v1(1757.09,4565.33) U4.30@2067.09,4565.33
  Bottom Layer w15: v1(1757.09,4565.33) 1849.67,4565.33 1997.09,4417.91 R10.1@1997.09,4308.6
NetR13_2: R13.2 U4.20 | length 485
  Top Layer w15: U4.20@2596.38,5465.33 3002.09,5465.33 3022.09,5445.33 3022.09,5415.19 3029.67,5407.61 R13.2@3039.81,5407.61
NetR14_2: R14.2 U4.19 | length 893.7
  Top Layer w15: v1(2575,5365) 2575.33,5365.33 U4.19@2736.38,5365.33 ; R14.2@3200,5403.6 v1(3200,5465.33)
  Bottom Layer w15: v1@2575,5368.93 v1(2575,5365) 2675.33,5465.33 v1(3200,5465.33)